# Altium PCB higgs.PcbDoc (part 4 of 25) (continued)
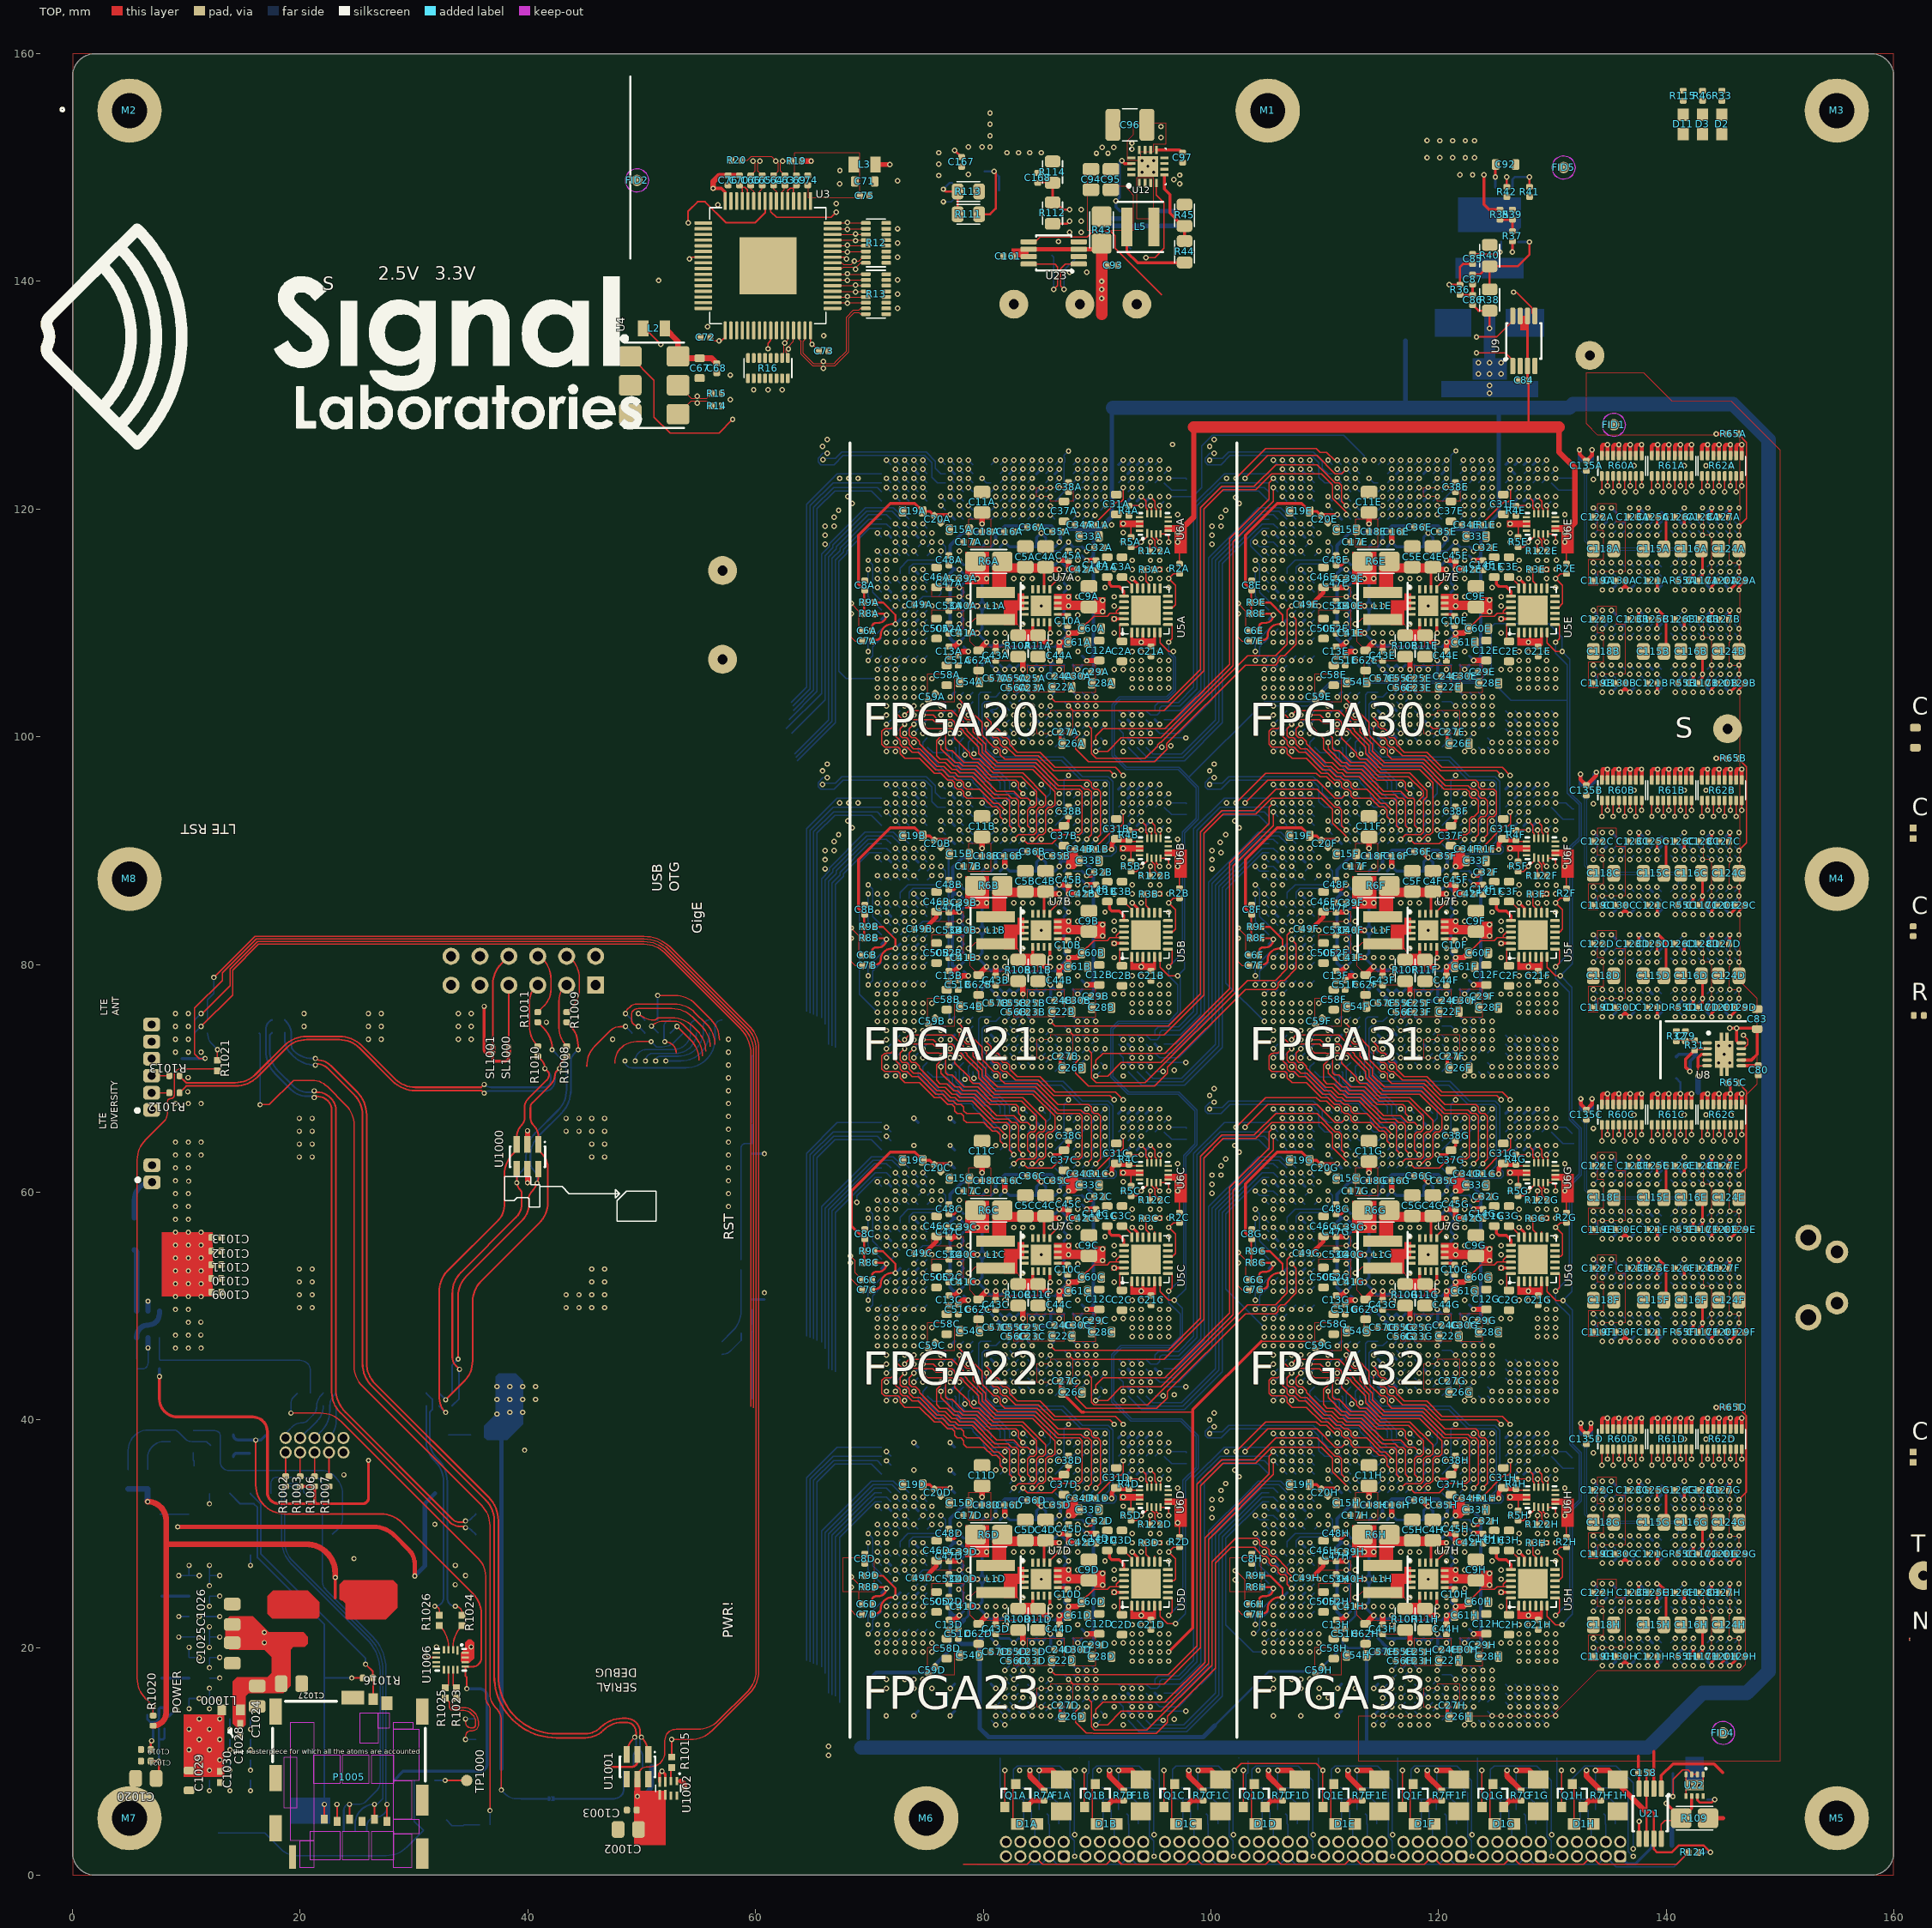
[diagram p0: TOP view]
## Components (designator, comment, footprint, x,y, rotation, side; value= is the part's Value field where it differs from the comment) (continued)
C159 "C2012X7S1A226M125" CAPC200X125X145L45N 139.6,2.6 r0 bottom value=22uF
C160 "GRM21BC81E106KE51" CAPC200X125X145L45N 141.5,8.95 r180 bottom value=10uF
C161 "GCM155R71H104KE02" CAPC100X50X55L25N 82.2,142.2 r0 top value=100nF
C162 "C2012X7S1A226M125" CAPC200X125X145L45N 82.7,149.4 r270 bottom value=22uF
C163 "C2012X7S1A226M125" CAPC200X125X145L45N 84.7,149.4 r270 bottom value=22uF
C164 "C2012X7S1A226M125" CAPC200X125X145L45N 86.7,149.4 r270 bottom value=22uF
C165 "C2012X7S1A226M125" CAPC200X125X145L45N 88.7,149.4 r270 bottom value=22uF
C166 "GRM32ER71E226KE15" CAPC320X250X270L50N 80.6,153.7 r180 bottom value=22uF
C167 "GCM155R71H104KE02" CAPC100X50X55L25N 78.1,150.5 r90 top value=100nF
C168 "GCM155R71H104KE02" CAPC100X50X55L25N 84.8,149.1 r270 top value=100nF
C169 "CBR04C200F5GAC" 0402#1 -15.1,67.281 r0 bottom value=20pF
C170 "CBR04C200F5GAC" 0402#1 -15.1,54.281 r0 bottom value=20pF
C171 "CBR04C200F5GAC" 0402#1 -15.1,42.281 r0 bottom value=20pF
C172 "CBR04C200F5GAC" 0402#1 -15.1,29.281 r0 bottom value=20pF
C173 "CBR04C200F5GAC" 0402#1 -15.1,16.781 r0 bottom value=20pF
C174 "CBR04C200F5GAC" 0402#1 174.199,36.717 r90 top value=20pF
C175 "CBR04C200F5GAC" 0402#1 161.699,36.717 r90 top value=20pF
C176 "CBR04C200F5GAC" 0402#1 -5.3,174.981 r0 bottom value=20pF
C177 "CBR04C200F5GAC" 0402#1 -5.3,162.481 r0 bottom value=20pF
C178 "CL10A106MA8NRNC" 0603 -5.7,155.581 r0 bottom value=10uF
C180 "CBR04C200F5GAC" 0402#1 -5.3,131.781 r0 bottom value=20pF
C181 "CBR04C200F5GAC" 0402#1 -5.3,119.681 r0 bottom value=20pF
C182 "CL10A106MA8NRNC" 0603 -5.7,107.181 r0 bottom value=10uF
C184 "CBR04C200F5GAC" 0402#1 -5.3,77.481 r0 bottom value=20pF
C185 "CBR04C200F5GAC" 0402#1 -5.3,64.781 r0 bottom value=20pF
C186 "CL10A106MA8NRNC" 0603 -5.7,57.781 r0 bottom value=10uF
C188 "CBR04C200F5GAC" 0402#1 -5.3,33.481 r0 bottom value=20pF
C189 "CBR04C200F5GAC" 0402#1 -5.3,20.981 r0 bottom value=20pF
C190 "CL10A106MA8NRNC" 0603 -5.7,8.181 r0 bottom value=10uF
C1000 "C1608X7R1A105M080" CAPC160X80X90L20N 60.529,66.119 r180 bottom value=1uF
C1001 "C1608X7R1A105M080" CAPC160X80X90L20N 60.604,48.756 r180 bottom value=1uF
C1002 "C2012X7S1A226M125" CAPC200X125X145L45N 48.829,4.019 r0 top value=22uF
C1003 "GCM155R71H104KE02" CAPC100X50X55L25N 49.129,5.719 r0 top value=100nF
C1004 "CBR04C330F5GAC" 0402#2 25.829,3.419 r270 bottom value=33pF
C1005 "CBR04C330F5GAC" 0402#2 24.829,3.419 r270 bottom value=33pF
C1006 "CBR04C330F5GAC" 0402#2 23.829,3.419 r270 bottom value=33pF
C1007 "CBR04C330F5GAC" 0402#2 21.829,4.119 r270 bottom value=33pF
C1008 "C1608X7R1A225M080" CAPC160X80X90L20N 19.829,4.394 r90 bottom value=2.2uF
C1009 "GCM155R71H104KE02" CAPC100X50X55L25N 12.629,51.219 r180 top value=100nF
C1010 "GCM155R71H104KE02" CAPC100X50X55L25N 12.629,52.419 r180 top value=100nF
C1011 "GCM155R71H104KE02" CAPC100X50X55L25N 12.629,53.619 r180 top value=100nF
C1012 "GCM155R71H104KE02" CAPC100X50X55L25N 12.629,54.819 r180 top value=100nF
C1013 "GCM155R71H104KE02" CAPC100X50X55L25N 12.629,56.019 r180 top value=100nF
C1014 "GCM155R71H104KE02" CAPC100X50X55L25N 7.529,56.119 r0 bottom value=100nF
C1015 "GCM155R71H104KE02" CAPC100X50X55L25N 7.529,54.919 r0 bottom value=100nF
C1016 "GCM155R71H104KE02" CAPC100X50X55L25N 7.529,53.719 r0 bottom value=100nF
C1017 "GCM155R71H104KE02" CAPC100X50X55L25N 7.529,52.519 r0 bottom value=100nF
C1018 "GCM155R71H104KE02" CAPC100X50X55L25N 7.529,51.319 r0 bottom value=100nF
C1019 "GCM155R71H103KA55" CAPC100X50X55L25N 6.441,11.037 r0 top value=10nF
C1020 "C2012X7S1A226M125" CAPC200X125X145L45N 6.441,8.497 r0 top value=22uF
C1021 "GCM155R71H104KE02" CAPC100X50X55L25N 6.441,10.021 r0 top value=100nF
C1022 "C1608X7R1A225M080" CAPC160X80X90L20N 16.929,37.719 r90 bottom value=2.2uF
C1023 "CBR04C330F5GAC" 0402#2 15.529,38.719 r90 bottom value=33pF
C1024 "C2012X7S1A226M125" CAPC200X125X145L45N 16.229,15.719 r90 top value=22uF
C1025 "C2012X7S1A226M125" CAPC200X125X145L45N 14.029,19.519 r90 top value=22uF
C1026 "C2012X7S1A226M125" CAPC200X125X145L45N 14.029,22.919 r270 top value=22uF
C1027 "C2012X7S1A226M125" CAPC200X125X145L45N 19.229,16.819 r180 top value=22uF
C1028 "CBR04C330F5GAC" 0402#2 14.729,12.819 r270 top value=33pF
C1029 "C1608X7R1A225M080" CAPC160X80X90L20N 10.229,8.319 r90 top value=2.2uF
C1030 "CBR04C330F5GAC" 0402#2 12.929,8.619 r270 top value=33pF
D1A "LNJ237W82RA" 0603_LED 83.865,4.5 r180 top locked (schematic designator D1)
D1B "LNJ237W82RA" 0603_LED 90.85,4.5 r180 top locked (schematic designator D1)
D1C "LNJ237W82RA" 0603_LED 97.835,4.5 r180 top locked (schematic designator D1)
D1D "LNJ237W82RA" 0603_LED 104.82,4.5 r180 top locked (schematic designator D1)
D1E "LNJ237W82RA" 0603_LED 111.805,4.5 r180 top locked (schematic designator D1)
D1F "LNJ237W82RA" 0603_LED 118.79,4.5 r180 top locked (schematic designator D1)
D1G "LNJ237W82RA" 0603_LED 125.775,4.5 r180 top locked (schematic designator D1)
D1H "LNJ237W82RA" 0603_LED 132.76,4.5 r180 top locked (schematic designator D1)
D2 "LNJ237W82RA" 0603_LED 144.9,153.8 r270 top locked
D3 "LNJ237W82RA" 0603_LED 143.2,153.8 r270 top locked
D11 "LNJ237W82RA" 0603_LED 141.5,153.8 r270 top locked
D1000 "DDZ9694-7" SOD123 39.429,8.419 r270 bottom
D1001 "LNJ237W82RA" 0603_LED 36.032,38.596 r180 bottom
D1002 "LNJ937W8CRA" 0603_LED 6.596,34.77 r90 bottom
D1003 "LNJ237W82RA" 0603_LED 4.896,34.77 r90 bottom
F1A "0ZCJ0020FF2E" 1206 86.865,7 r270 top locked (schematic designator F1)
F1B "0ZCJ0020FF2E" 1206 93.85,7 r270 top locked (schematic designator F1)
F1C "0ZCJ0020FF2E" 1206 100.835,7 r270 top locked (schematic designator F1)
F1D "0ZCJ0020FF2E" 1206 107.82,7 r270 top locked (schematic designator F1)
F1E "0ZCJ0020FF2E" 1206 114.805,7 r270 top locked (schematic designator F1)
F1F "0ZCJ0020FF2E" 1206 121.79,7 r270 top locked (schematic designator F1)
F1G "0ZCJ0020FF2E" 1206 128.775,7 r270 top locked (schematic designator F1)
F1H "0ZCJ0020FF2E" 1206 135.76,7 r270 top locked (schematic designator F1)
F4 "0ZCJ0020FF2E" 1206 263.799,18.617 r90 top
F1000 "0ZCJ0020FF2E" 1206 5.429,56.319 r90 bottom
FID1 "FIDUCIAL" FIDUCIAL 135.4,127.4 r270 top
FID2 "FIDUCIAL" FIDUCIAL 49.59,148.876 r270 top
FID3 "FIDUCIAL" FIDUCIAL 169.499,26.517 r90 top
FID4 "FIDUCIAL" FIDUCIAL 145,12.5 r270 top
FID5 "FIDUCIAL" FIDUCIAL 131,150 r270 top
J5A "GRPB052MWCN" GRPB052MWCN 84.54,2.285 r90 bottom locked (schematic designator J5)
J5B "GRPB052MWCN" GRPB052MWCN 91.525,2.285 r90 bottom locked (schematic designator J5)
J5C "GRPB052MWCN" GRPB052MWCN 98.51,2.285 r90 bottom locked (schematic designator J5)
J5D "GRPB052MWCN" GRPB052MWCN 105.495,2.285 r90 bottom locked (schematic designator J5)
J5E "GRPB052MWCN" GRPB052MWCN 112.48,2.285 r90 bottom locked (schematic designator J5)
J5F "GRPB052MWCN" GRPB052MWCN 119.465,2.285 r90 bottom locked (schematic designator J5)
J5G "GRPB052MWCN" GRPB052MWCN 126.45,2.285 r90 bottom locked (schematic designator J5)
J5H "GRPB052MWCN" GRPB052MWCN 133.435,2.285 r90 bottom locked (schematic designator J5)
J1000 "GRPB052VWVN" GRPB052VWVN 21.26,37.77 r90 bottom locked
L1A "XFL4020-222ME" XFL4020 81.1,111.5 r90 top value=2.2uH (schematic designator L1)
L1B "XFL4020-222ME" XFL4020 81.1,83 r90 top value=2.2uH (schematic designator L1)
L1C "XFL4020-222ME" XFL4020 81.1,54.5 r90 top value=2.2uH (schematic designator L1)
L1D "XFL4020-222ME" XFL4020 81.1,26 r90 top value=2.2uH (schematic designator L1)
L1E "XFL4020-222ME" XFL4020 115.1,111.5 r90 top value=2.2uH (schematic designator L1)
L1F "XFL4020-222ME" XFL4020 115.1,83 r90 top value=2.2uH (schematic designator L1)
L1G "XFL4020-222ME" XFL4020 115.1,54.5 r90 top value=2.2uH (schematic designator L1)
L1H "XFL4020-222ME" XFL4020 115.1,26 r90 top value=2.2uH (schematic designator L1)
L2 "MPZ2012S601A" 0805 51.09,135.876 r180 top
L3 "MPZ2012S601A" 0805 69.59,150.276 r0 top
L4 "XAL6030-561ME" XAL6030 124.5,139.165 r270 bottom value=560nH
L5 "XFL4020-222ME" XFL4020 93.808,144.784 r180 top value=2.2uH
L6A "LQG15HS8N2H02D" INDC1005X55N 1115.687,1160.705 r0 top value=1nH (schematic designator L6)
L6B "LQG15HS8N2H02D" INDC1005X55N 196.499,82.817 r90 top value=1nH (schematic designator L6)
L7A "LQW15AN4N7C00D" 0402#2 1115.687,1160.705 r0 top value=4.7nH (schematic designator L7)
L7B "LQW15AN4N7C00D" 0402#2 210.499,91.417 r90 top value=4.7nH (schematic designator L7)
L8 "ASPI-0310FS-2R2M-T2" ASPI-3010FS 142.5,5.7 r180 bottom value=2.2uH
L9 "XAL6030-332ME" XAL6030 81.3,143.8 r0 bottom value=3.3uH
L11 "1008AF-901XJLC" COILCRAFT_1008AF -5.9,146.081 r90 bottom value=900nH
L12 "1008AF-901XJLC" COILCRAFT_1008AF -5.9,151.181 r90 bottom value=900nH
L13 "1008AF-901XJLC" COILCRAFT_1008AF -5.9,97.181 r90 bottom value=900nH
L14 "1008AF-901XJLC" COILCRAFT_1008AF -5.9,102.781 r90 bottom value=900nH
L15 "1008AF-901XJLC" COILCRAFT_1008AF -5.9,47.781 r90 bottom value=900nH
L16 "1008AF-901XJLC" COILCRAFT_1008AF -5.9,53.381 r90 bottom value=900nH
L17 "1008AF-901XJLC" COILCRAFT_1008AF -5.9,-1.819 r90 bottom value=900nH
L18 "1008AF-901XJLC" COILCRAFT_1008AF -5.9,3.781 r90 bottom value=900nH
L1000 "BLM15PX601SN1D" 0603 13.929,14.519 r180 top value=100@100MHz
M1 "MOUNT" MOUNTM3 105,155 r180 top
M2 "MOUNT" MOUNTM3 5,155 r180 top
M3 "MOUNT" MOUNTM3 155,155 r180 top
M4 "MOUNT" MOUNTM3 155,87.5 r180 top
M5 "MOUNT" MOUNTM3 155,5 r180 top
M6 "MOUNT" MOUNTM3 75,5 r180 top
M7 "MOUNT" MOUNTM3 5,5 r180 top
M8 "MOUNT" MOUNTM3 5,87.5 r180 top
NT1 "NET_TIE" NET_TIE 257.499,20.617 r90 top net-tie
NT2 "NET_TIE" NET_TIE 251.699,20.617 r90 top net-tie
NT3 "NET_TIE" NET_TIE 245.799,20.617 r90 top net-tie
NT4 "NET_TIE" NET_TIE 239.999,20.617 r90 top net-tie
NT5 "NET_TIE" NET_TIE 234.099,20.617 r90 top net-tie
NT6 "NET_TIE" NET_TIE 228.299,20.617 r90 top net-tie
NT7 "NET_TIE" NET_TIE 222.399,20.617 r90 top net-tie
NT8 "NET_TIE" NET_TIE 216.599,20.617 r90 top net-tie
NT9 "NET_TIE" NET_TIE 210.699,20.617 r90 top net-tie
NT10 "NET_TIE" NET_TIE 203.599,20.617 r90 top net-tie
NT11 "NET_TIE" NET_TIE 196.999,20.617 r90 top net-tie
NT12 "NET_TIE" NET_TIE 189.899,20.617 r90 top net-tie
NT13 "NET_TIE" NET_TIE 182.699,20.617 r90 top net-tie
NT14 "NET_TIE" NET_TIE 175.599,20.617 r90 top net-tie
NT15 "NET_TIE" NET_TIE 168.499,20.617 r90 top net-tie
NT16 "NET_TIE" NET_TIE 161.399,20.617 r90 top net-tie
P1 "U.FL-R-SMT(10)" U.FL-R-SMT(10) 17.5,96.5 r90 bottom
P2 "U.FL-R-SMT(10)" U.FL-R-SMT(10) 17.5,102.5 r90 bottom
P3 "U.FL-R-SMT(10)" U.FL-R-SMT(10) -16.4,76.081 r90 bottom
P4 "U.FL-R-SMT(10)" U.FL-R-SMT(10) 17.5,111 r90 bottom
P5 "U.FL-R-SMT(10)" U.FL-R-SMT(10) 18.5,125 r90 bottom
P6 "U.FL-R-SMT(10)" U.FL-R-SMT(10) 18.5,117.5 r90 bottom
P7 "U.FL-R-SMT(10)" U.FL-R-SMT(10) 5,105 r90 bottom
P8 "U.FL-R-SMT(10)" U.FL-R-SMT(10) 7.5,131.5 r90 bottom
P9 "U.FL-R-SMT(10)" U.FL-R-SMT(10) 7.5,99 r90 bottom
P10 "U.FL-R-SMT(10)" U.FL-R-SMT(10) 5,110 r90 bottom
P11 "U.FL-R-SMT(10)" U.FL-R-SMT(10) 7.5,116 r90 bottom
P12 "U.FL-R-SMT(10)" U.FL-R-SMT(10) 7.5,124 r90 bottom
P1001 "PEC06DAAN" HDR2X6 45.949,78.179 r180 bottom locked
P1002 "B6B-ZR" B6B-ZR 6.499,70.969 r270 bottom locked
P1004 "651305142821" 651305142821 49.279,9.419 r180 bottom locked
P1005 "504520-0691" 504520-0691 24.284,4.919 r180 top locked
P1006 "B2B-ZR(LF)(SN)" B2B-ZR 6.529,61.619 r270 bottom locked
P1007 "U.FL-R-SMT(10)" U.FL-R-SMT(10) 6.129,24.519 r90 bottom locked
P1008 "U.FL-R-SMT(10)" U.FL-R-SMT(10) 6.129,17.319 r90 bottom locked
Q1A "MMBT4401-7-F" SOT23 82.865,7 r0 top locked (schematic designator Q1)
Q1B "MMBT4401-7-F" SOT23 89.85,7 r0 top locked (schematic designator Q1)
Q1C "MMBT4401-7-F" SOT23 96.835,7 r0 top locked (schematic designator Q1)
Q1D "MMBT4401-7-F" SOT23 103.82,7 r0 top locked (schematic designator Q1)
Q1E "MMBT4401-7-F" SOT23 110.805,7 r0 top locked (schematic designator Q1)
Q1F "MMBT4401-7-F" SOT23 117.79,7 r0 top locked (schematic designator Q1)
Q1G "MMBT4401-7-F" SOT23 124.775,7 r0 top locked (schematic designator Q1)
Q1H "MMBT4401-7-F" SOT23 131.76,7 r0 top locked (schematic designator Q1)
Q1000 "DMC2038LVT" TSOP-6 6.63,48.382 r180 bottom
Q1001 "MMBT4401-7-F" SOT23 31.829,3.919 r270 bottom
Q1002 "MMBT4401-7-F" SOT23 9.616,38.088 r270 bottom
Q1003 "MMBT4401-7-F" SOT23 13.129,37.719 r270 bottom
R1A "ERJ-2RKF4701X" RESC1005X40N 90.2,118.6 r0 top value=4.7k (schematic designator R1)
R1B "ERJ-2RKF4701X" RESC1005X40N 90.2,90.1 r0 top value=4.7k (schematic designator R1)
R1C "ERJ-2RKF4701X" RESC1005X40N 90.2,61.6 r0 top value=4.7k (schematic designator R1)
R1D "ERJ-2RKF4701X" RESC1005X40N 90.2,33.1 r0 top value=4.7k (schematic designator R1)
R1E "ERJ-2RKF4701X" RESC1005X40N 124.2,118.6 r0 top value=4.7k (schematic designator R1)
R1F "ERJ-2RKF4701X" RESC1005X40N 124.2,90.1 r0 top value=4.7k (schematic designator R1)
R1G "ERJ-2RKF4701X" RESC1005X40N 124.2,61.6 r0 top value=4.7k (schematic designator R1)
R1H "ERJ-2RKF4701X" RESC1005X40N 124.2,33.1 r0 top value=4.7k (schematic designator R1)
R2A "ERJ-2RKF4701X" RESC1005X40N 97.25,114.75 r90 top value=4.7k (schematic designator R2)
R2B "ERJ-2RKF4701X" RESC1005X40N 97.25,86.25 r90 top value=4.7k (schematic designator R2)
R2C "ERJ-2RKF4701X" RESC1005X40N 97.25,57.75 r90 top value=4.7k (schematic designator R2)
R2D "ERJ-2RKF4701X" RESC1005X40N 97.25,29.25 r90 top value=4.7k (schematic designator R2)
R2E "ERJ-2RKF4701X" RESC1005X40N 131.25,114.75 r90 top value=4.7k (schematic designator R2)
R2F "ERJ-2RKF4701X" RESC1005X40N 131.25,86.25 r90 top value=4.7k (schematic designator R2)
R2G "ERJ-2RKF4701X" RESC1005X40N 131.25,57.75 r90 top value=4.7k (schematic designator R2)
R2H "ERJ-2RKF4701X" RESC1005X40N 131.25,29.25 r90 top value=4.7k (schematic designator R2)
R3A "ERJ-2RKF1003X" RESC1005X40N 94.549,114.671 r0 top value=100k (schematic designator R3)
R3B "ERJ-2RKF1003X" RESC1005X40N 94.549,86.171 r0 top value=100k (schematic designator R3)
R3C "ERJ-2RKF1003X" RESC1005X40N 94.549,57.671 r0 top value=100k (schematic designator R3)
R3D "ERJ-2RKF1003X" RESC1005X40N 94.549,29.171 r0 top value=100k (schematic designator R3)
R3E "ERJ-2RKF1003X" RESC1005X40N 128.549,114.671 r0 top value=100k (schematic designator R3)
R3F "ERJ-2RKF1003X" RESC1005X40N 128.549,86.171 r0 top value=100k (schematic designator R3)
R3G "ERJ-2RKF1003X" RESC1005X40N 128.549,57.671 r0 top value=100k (schematic designator R3)
R3H "ERJ-2RKF1003X" RESC1005X40N 128.549,29.171 r0 top value=100k (schematic designator R3)
R4A "ERJ-2RKF4701X" RESC1005X40N 92.8,119.855 r270 top value=4.7k (schematic designator R4)
R4B "ERJ-2RKF4701X" RESC1005X40N 92.8,91.355 r270 top value=4.7k (schematic designator R4)
R4C "ERJ-2RKF4701X" RESC1005X40N 92.8,62.855 r270 top value=4.7k (schematic designator R4)
R4D "ERJ-2RKF4701X" RESC1005X40N 92.8,34.355 r270 top value=4.7k (schematic designator R4)
R4E "ERJ-2RKF4701X" RESC1005X40N 126.8,119.855 r270 top value=4.7k (schematic designator R4)
R4F "ERJ-2RKF4701X" RESC1005X40N 126.8,91.355 r270 top value=4.7k (schematic designator R4)
R4G "ERJ-2RKF4701X" RESC1005X40N 126.8,62.855 r270 top value=4.7k (schematic designator R4)
R4H "ERJ-2RKF4701X" RESC1005X40N 126.8,34.355 r270 top value=4.7k (schematic designator R4)
R5A "ERJ-2RKF4701X" RESC1005X40N 93,117.1 r90 top value=4.7k (schematic designator R5)
R5B "ERJ-2RKF4701X" RESC1005X40N 93,88.6 r90 top value=4.7k (schematic designator R5)
R5C "ERJ-2RKF4701X" RESC1005X40N 93,60.1 r90 top value=4.7k (schematic designator R5)
R5D "ERJ-2RKF4701X" RESC1005X40N 93,31.6 r90 top value=4.7k (schematic designator R5)
R5E "ERJ-2RKF4701X" RESC1005X40N 127,117.1 r90 top value=4.7k (schematic designator R5)
R5F "ERJ-2RKF4701X" RESC1005X40N 127,88.6 r90 top value=4.7k (schematic designator R5)
R5G "ERJ-2RKF4701X" RESC1005X40N 127,60.1 r90 top value=4.7k (schematic designator R5)
R5H "ERJ-2RKF4701X" RESC1005X40N 127,31.6 r90 top value=4.7k (schematic designator R5)
R6A "CSR1206-0R004F1" RESC3216X80L110N 80.5,115.4 r180 top value=4m (schematic designator R6)
R6B "CSR1206-0R004F1" RESC3216X80L110N 80.5,86.9 r180 top value=4m (schematic designator R6)
R6C "CSR1206-0R004F1" RESC3216X80L110N 80.5,58.4 r180 top value=4m (schematic designator R6)
R6D "CSR1206-0R004F1" RESC3216X80L110N 80.5,29.9 r180 top value=4m (schematic designator R6)
R6E "CSR1206-0R004F1" RESC3216X80L110N 114.5,115.4 r180 top value=4m (schematic designator R6)
R6F "CSR1206-0R004F1" RESC3216X80L110N 114.5,86.9 r180 top value=4m (schematic designator R6)
R6G "CSR1206-0R004F1" RESC3216X80L110N 114.5,58.4 r180 top value=4m (schematic designator R6)
R6H "CSR1206-0R004F1" RESC3216X80L110N 114.5,29.9 r180 top value=4m (schematic designator R6)
R7A "ERJ-2RKF2400X" RESC1005X40N 85.365,7 r90 top locked value=240 (schematic designator R7)
R7B "ERJ-2RKF2400X" RESC1005X40N 92.35,7 r90 top locked value=240 (schematic designator R7)
R7C "ERJ-2RKF2400X" RESC1005X40N 99.335,7 r90 top locked value=240 (schematic designator R7)
R7D "ERJ-2RKF2400X" RESC1005X40N 106.32,7 r90 top locked value=240 (schematic designator R7)
R7E "ERJ-2RKF2400X" RESC1005X40N 113.305,7 r90 top locked value=240 (schematic designator R7)
R7F "ERJ-2RKF2400X" RESC1005X40N 120.29,7 r90 top locked value=240 (schematic designator R7)
R7G "ERJ-2RKF2400X" RESC1005X40N 127.275,7 r90 top locked value=240 (schematic designator R7)
R7H "ERJ-2RKF2400X" RESC1005X40N 134.26,7 r90 top locked value=240 (schematic designator R7)
R8A "ERJ-2RKF49R9X" RESC1005X40N 70,110.8 r0 top value=49.9 (schematic designator R8)
R8B "ERJ-2RKF49R9X" RESC1005X40N 70,82.3 r0 top value=49.9 (schematic designator R8)
R8C "ERJ-2RKF49R9X" RESC1005X40N 70,53.8 r0 top value=49.9 (schematic designator R8)
R8D "ERJ-2RKF49R9X" RESC1005X40N 70,25.3 r0 top value=49.9 (schematic designator R8)
R8E "ERJ-2RKF49R9X" RESC1005X40N 104,110.8 r0 top value=49.9 (schematic designator R8)
R8F "ERJ-2RKF49R9X" RESC1005X40N 104,82.3 r0 top value=49.9 (schematic designator R8)
R8G "ERJ-2RKF49R9X" RESC1005X40N 104,53.8 r0 top value=49.9 (schematic designator R8)
R8H "ERJ-2RKF49R9X" RESC1005X40N 104,25.3 r0 top value=49.9 (schematic designator R8)
R9A "ERJ-2RKF49R9X" RESC1005X40N 70,111.8 r0 top value=49.9 (schematic designator R9)
R9B "ERJ-2RKF49R9X" RESC1005X40N 70,83.3 r0 top value=49.9 (schematic designator R9)
R9C "ERJ-2RKF49R9X" RESC1005X40N 70,54.8 r0 top value=49.9 (schematic designator R9)
R9D "ERJ-2RKF49R9X" RESC1005X40N 70,26.3 r0 top value=49.9 (schematic designator R9)
R9E "ERJ-2RKF49R9X" RESC1005X40N 104,111.8 r0 top value=49.9 (schematic designator R9)
R9F "ERJ-2RKF49R9X" RESC1005X40N 104,83.3 r0 top value=49.9 (schematic designator R9)
R9G "ERJ-2RKF49R9X" RESC1005X40N 104,54.8 r0 top value=49.9 (schematic designator R9)
R9H "ERJ-2RKF49R9X" RESC1005X40N 104,26.3 r0 top value=49.9 (schematic designator R9)
R10A "ERA-6AEB752V" RESC2012X70N 83.075,107.975 r270 top value=7.5k (schematic designator R10)
R10B "ERA-6AEB752V" RESC2012X70N 83.075,79.475 r270 top value=7.5k (schematic designator R10)
R10C "ERA-6AEB752V" RESC2012X70N 83.075,50.975 r270 top value=7.5k (schematic designator R10)
R10D "ERA-6AEB752V" RESC2012X70N 83.075,22.475 r270 top value=7.5k (schematic designator R10)
R10E "ERA-6AEB752V" RESC2012X70N 117.075,107.975 r270 top value=7.5k (schematic designator R10)
R10F "ERA-6AEB752V" RESC2012X70N 117.075,79.475 r270 top value=7.5k (schematic designator R10)
R10G "ERA-6AEB752V" RESC2012X70N 117.075,50.975 r270 top value=7.5k (schematic designator R10)
R10H "ERA-6AEB752V" RESC2012X70N 117.075,22.475 r270 top value=7.5k (schematic designator R10)
R11A "ERA-6AEB203V" RESC2012X70N 84.825,107.975 r90 top value=20k (schematic designator R11)
R11B "ERA-6AEB203V" RESC2012X70N 84.825,79.475 r90 top value=20k (schematic designator R11)
R11C "ERA-6AEB203V" RESC2012X70N 84.825,50.975 r90 top value=20k (schematic designator R11)
R11D "ERA-6AEB203V" RESC2012X70N 84.825,22.475 r90 top value=20k (schematic designator R11)
R11E "ERA-6AEB203V" RESC2012X70N 118.825,107.975 r90 top value=20k (schematic designator R11)
R11F "ERA-6AEB203V" RESC2012X70N 118.825,79.475 r90 top value=20k (schematic designator R11)
R11G "ERA-6AEB203V" RESC2012X70N 118.825,50.975 r90 top value=20k (schematic designator R11)
R11H "ERA-6AEB203V" RESC2012X70N 118.825,22.475 r90 top value=20k (schematic designator R11)
R12 "EXB-2HV151JV" RESCAXE16P50_380X160X55L30X35N 70.59,143.376 r270 top locked value=150
R13 "EXB-2HV151JV" RESCAXE16P50_380X160X55L30X35N 70.59,138.876 r270 top locked value=150
R14 "ERJ-2RKF1500X" RESC1005X40N 56.59,129.066 r180 top value=150
R15 "ERJ-2RKF1500X" RESC1005X40N 56.59,130.146 r180 top value=150
R16 "EXB-2HV151JV" RESCAXE16P50_380X160X55L30X35N 61.09,132.376 r180 top locked value=150
R17A "ERJ-2RKF36R0X" RESC1005X40N 1115.687,1160.705 r0 top value=36 (schematic designator R17)
R17B "ERJ-2RKF36R0X" RESC1005X40N 232.299,82.817 r90 top value=36 (schematic designator R17)
R18A "ERJ-2RKF1500X" RESC1005X40N 1115.687,1160.705 r0 top value=150 (schematic designator R18)
R18B "ERJ-2RKF1500X" RESC1005X40N 239.399,82.817 r90 top value=150 (schematic designator R18)
R19 "ERJ-2RKF1500X" RESC1005X40N 63.59,150.576 r0 top value=150
R20 "ERJ-2RKF1500X" RESC1005X40N 58.34,150.626 r180 top value=150
R21A "ERJ-2GE0R00X" RESC1005X40N 1115.687,1160.705 r0 top value=0 (schematic designator R21)
R21B "ERJ-2GE0R00X" RESC1005X40N 208.199,82.817 r90 top value=0 (schematic designator R21)
R22A "ERJ-2RKF21R0X" RESC1005X40N 1115.687,1160.705 r0 top value=21 (schematic designator R22)
R22B "ERJ-2RKF21R0X" RESC1005X40N 223.899,91.417 r90 top value=21 (schematic designator R22)
R23A "ERA-2AEB1330X" RESC1005X40N 1115.687,1160.705 r0 top value=133 (schematic designator R23)
R23B "ERA-2AEB1330X" RESC1005X40N 216.499,91.417 r90 top value=133 (schematic designator R23)
R24A "MCS0402PD4990DE500" RESC1005X40N 1115.687,1160.705 r0 top value=499 (schematic designator R24)
R24B "MCS0402PD4990DE500" RESC1005X40N 177.399,91.417 r90 top value=499 (schematic designator R24)
R25A "ERJ-2RKF1002X" RESC1005X40N 1115.687,1160.705 r0 top value=10k (schematic designator R25)
R25B "ERJ-2RKF1002X" RESC1005X40N 271.199,100.317 r90 top value=10k (schematic designator R25)
R26A "RG2012P-101-B-T5" RESC2012X70N 1115.687,1160.705 r0 top value=100 (schematic designator R26)
R26B "RG2012P-101-B-T5" RESC2012X70N 255.599,99.517 r90 top value=100 (schematic designator R26)
R29 "ERJ-2RKF4701X" RESC1005X40N 142.4,2 r0 bottom value=4.7k
R29A "ERJ-2RKF20R0X" RESC1005X40N 83.005,7.7 r0 bottom value=20 (schematic designator R29)
R29B "ERJ-2RKF20R0X" RESC1005X40N 89.99,7.7 r0 bottom value=20 (schematic designator R29)
R29C "ERJ-2RKF20R0X" RESC1005X40N 96.975,7.7 r0 bottom value=20 (schematic designator R29)
R29D "ERJ-2RKF20R0X" RESC1005X40N 103.96,7.7 r0 bottom value=20 (schematic designator R29)
R29E "ERJ-2RKF20R0X" RESC1005X40N 110.945,7.7 r0 bottom value=20 (schematic designator R29)
R29F "ERJ-2RKF20R0X" RESC1005X40N 117.93,7.7 r0 bottom value=20 (schematic designator R29)
R29G "ERJ-2RKF20R0X" RESC1005X40N 124.915,7.7 r0 bottom value=20 (schematic designator R29)
R29H "ERJ-2RKF20R0X" RESC1005X40N 131.9,7.7 r0 bottom value=20 (schematic designator R29)
R30 "ERJ-2RKF4701X" RESC1005X40N 149.1,-6.5 r180 top value=4.7k
R30A "ERJ-2RKF20R0X" RESC1005X40N 86.755,7.65 r180 bottom value=20 (schematic designator R30)
R30B "ERJ-2RKF20R0X" RESC1005X40N 93.74,7.65 r180 bottom value=20 (schematic designator R30)
R30C "ERJ-2RKF20R0X" RESC1005X40N 100.725,7.65 r180 bottom value=20 (schematic designator R30)
R30D "ERJ-2RKF20R0X" RESC1005X40N 107.71,7.65 r180 bottom value=20 (schematic designator R30)
R30E "ERJ-2RKF20R0X" RESC1005X40N 114.695,7.65 r180 bottom value=20 (schematic designator R30)
R30F "ERJ-2RKF20R0X" RESC1005X40N 121.68,7.65 r180 bottom value=20 (schematic designator R30)
R30G "ERJ-2RKF20R0X" RESC1005X40N 128.665,7.65 r180 bottom value=20 (schematic designator R30)
R30H "ERJ-2RKF20R0X" RESC1005X40N 135.65,7.65 r180 bottom value=20 (schematic designator R30)
R31 "ERJ-2RKF1002X" RESC1005X40N 142.5,72.9 r90 top value=10k
R32 "ERJ-2RKF1002X" RESC1005X40N 140.9,73.7 r90 top value=10k
R33 "ERJ-2RKF1001X" RESC1005X40N 144.9,156.3 r90 top value=1k
R34 "RES0.0004" RES0.0004 124.5,135.065 r270 bottom net-tie value=400u
R35 "ERJ-2RKF6983X" RESC1005X40N 125.4,145.865 r270 top value=698k
R36 "ERJ-2RKF6200X" RESC1005X40N 121.9,139.265 r90 top value=620
R37 "ERJ-2RKF1001X" RESC1005X40N 126.5,143.965 r270 top value=1k
R38 "ERA-6AEB1272V" RESC2012X70N 124.5,138.365 r270 top value=12.7k
R39 "ERJ-2RKF8662X" RESC1005X40N 126.5,145.865 r90 top value=86.6k
R40 "ERA-6AEB103V" RESC2012X70N 124.5,142.265 r270 top value=10k
R41 "ERJ-2RKF1433X" RESC1005X40N 128,147.865 r270 top value=143k
R42 "ERJ-2RKF1003X" RESC1005X40N 126,147.865 r270 top value=100k
R43 "CSR1206-0R007F1" RESC3216X80L110N 90.406,144.514 r270 top value=7m
R44 "ERA-6AEB3162V" RESC2012X70N 97.7,142.6 r270 top value=31.6k
R45 "ERA-6AEB103V" RESC2012X70N 97.69,145.808 r270 top value=10k
R46 "ERJ-2RKF1001X" RESC1005X40N 143.2,156.3 r90 top value=1k
R55A "ERJ-2RKF2400X" RESC1005X40N 141.5,113.7 r0 top value=240 (schematic designator R55)
R55B "ERJ-2RKF2400X" RESC1005X40N 141.5,104.7 r0 top value=240 (schematic designator R55)
R55C "ERJ-2RKF2400X" RESC1005X40N 141.5,85.2 r0 top value=240 (schematic designator R55)
R55D "ERJ-2RKF2400X" RESC1005X40N 141.5,76.2 r0 top value=240 (schematic designator R55)
R55E "ERJ-2RKF2400X" RESC1005X40N 141.5,56.7 r0 top value=240 (schematic designator R55)
R55F "ERJ-2RKF2400X" RESC1005X40N 141.5,47.7 r0 top value=240 (schematic designator R55)
R55G "ERJ-2RKF2400X" RESC1005X40N 141.5,28.2 r0 top value=240 (schematic designator R55)
R55H "ERJ-2RKF2400X" RESC1005X40N 141.5,19.2 r0 top value=240 (schematic designator R55)
R56 "ERJ-2RKF4701X" RESC1005X40N 155.445,45 r0 bottom value=4.7k
R57 "ERA-6AEB203V" RESC2012X70N 157.5,44.06 r90 bottom value=20k
R58 "ERJ-2RKF4701X" RESC1005X40N 157.5,40.445 r90 bottom value=4.7k
R59 "ERA-6AEB103V" RESC2012X70N 152.5,36.56 r90 bottom value=10k
R60A "EXB-2HV470JV" RESCAXE16P50_380X160X55L30X35N 136.1,123.8 r0 top value=47 (schematic designator R60)
R60B "EXB-2HV470JV" RESCAXE16P50_380X160X55L30X35N 136.1,95.3 r0 top value=47 (schematic designator R60)
R60C "EXB-2HV470JV" RESCAXE16P50_380X160X55L30X35N 136.1,66.8 r0 top value=47 (schematic designator R60)
R60D "EXB-2HV470JV" RESCAXE16P50_380X160X55L30X35N 136.1,38.3 r0 top value=47 (schematic designator R60)
R61A "EXB-2HV470JV" RESCAXE16P50_380X160X55L30X35N 140.5,123.8 r0 top value=47 (schematic designator R61)
R61B "EXB-2HV470JV" RESCAXE16P50_380X160X55L30X35N 140.5,95.3 r0 top value=47 (schematic designator R61)
R61C "EXB-2HV470JV" RESCAXE16P50_380X160X55L30X35N 140.5,66.8 r0 top value=47 (schematic designator R61)
R61D "EXB-2HV470JV" RESCAXE16P50_380X160X55L30X35N 140.5,38.3 r0 top value=47 (schematic designator R61)
R62A "EXB-2HV470JV" RESCAXE16P50_380X160X55L30X35N 144.9,123.8 r0 top value=47 (schematic designator R62)
R62B "EXB-2HV470JV" RESCAXE16P50_380X160X55L30X35N 144.9,95.3 r0 top value=47 (schematic designator R62)
R62C "EXB-2HV470JV" RESCAXE16P50_380X160X55L30X35N 144.9,66.8 r0 top value=47 (schematic designator R62)
R62D "EXB-2HV470JV" RESCAXE16P50_380X160X55L30X35N 144.9,38.3 r0 top value=47 (schematic designator R62)
R63A "ERJ-2RKF49R9X" RESC1005X40N 132.5,123.8 r270 bottom value=49.9 (schematic designator R63)
R63B "ERJ-2RKF49R9X" RESC1005X40N 132.5,95.3 r270 bottom value=49.9 (schematic designator R63)
R63C "ERJ-2RKF49R9X" RESC1005X40N 132.5,66.8 r270 bottom value=49.9 (schematic designator R63)
R63D "ERJ-2RKF49R9X" RESC1005X40N 132.5,38.3 r270 bottom value=49.9 (schematic designator R63)
R64A "ERJ-2RKF49R9X" RESC1005X40N 133.4,123.8 r270 bottom value=49.9 (schematic designator R64)
R64B "ERJ-2RKF49R9X" RESC1005X40N 133.4,95.3 r270 bottom value=49.9 (schematic designator R64)
R64C "ERJ-2RKF49R9X" RESC1005X40N 133.4,66.8 r270 bottom value=49.9 (schematic designator R64)
R64D "ERJ-2RKF49R9X" RESC1005X40N 133.4,38.3 r270 bottom value=49.9 (schematic designator R64)
R65A "ERJ-2RKF1001X" RESC1005X40N 145.9,126.6 r180 top value=1k (schematic designator R65)
R65B "ERJ-2RKF1001X" RESC1005X40N 145.9,98.1 r180 top value=1k (schematic designator R65)
R65C "ERJ-2RKF1001X" RESC1005X40N 145.899,69.6 r180 top value=1k (schematic designator R65)
R65D "ERJ-2RKF1001X" RESC1005X40N 145.9,41.1 r180 top value=1k (schematic designator R65)
R109 "CSR1206-0R01F1" RESC3216X80L110N 142.5,5 r0 top value=10m
R110 "CSR1206-0R001F1" RESC3216X80L110N 87.2,142.2 r0 bottom value=1m
R111 "ERA-6AEB3402V" RESC2012X70N 78.7,145.9 r0 top value=34k
R112 "ERA-6AEB3402V" RESC2012X70N 86.1,146 r270 top value=34k
R113 "ERA-6AEB163V" RESC2012X70N 78.7,147.9 r180 top value=16k
R114 "ERA-6AEB163V" RESC2012X70N 86.1,149.6 r270 top value=16k
R115 "ERJ-2RKF1001X" RESC1005X40N 141.5,156.3 r90 top value=1k